# Altium PCB STANDBY_POWER_SUPLY.PcbDoc
Units mm, origin at the board's own origin, x right, y up, seen from the top; angles counter-clockwise.
Board outline 111 x 55 mm, 2 copper layers (Top Layer, Bottom Layer), stack 1.071 mm thick; 59 components, 35 nets, 142 pads, 15 vias.
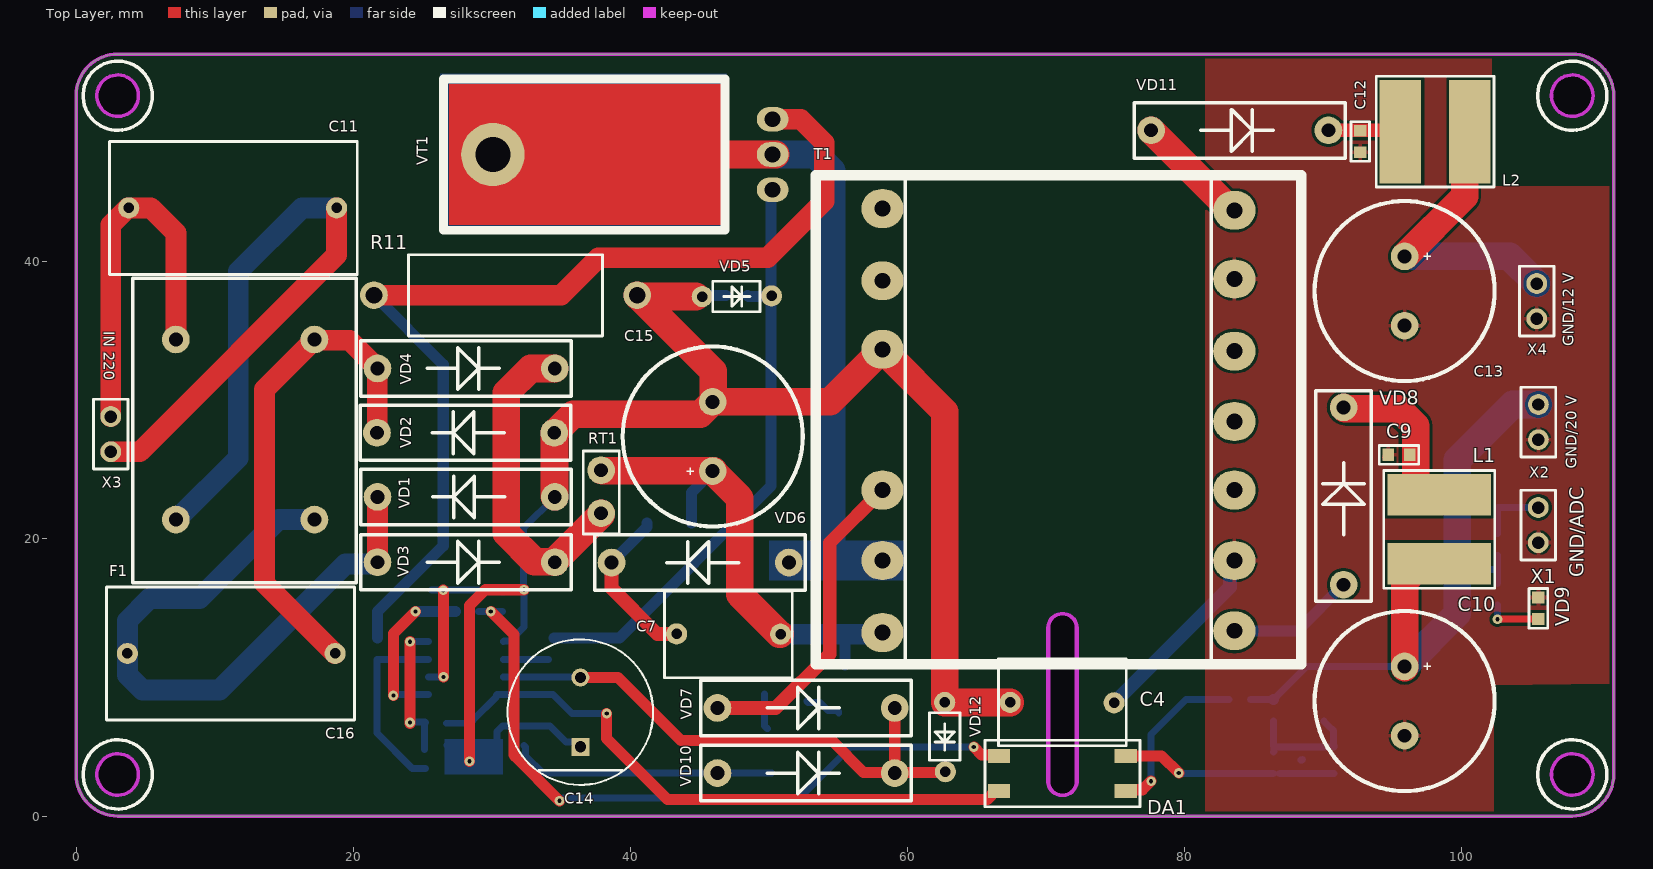
[diagram p0: Top Layer view]
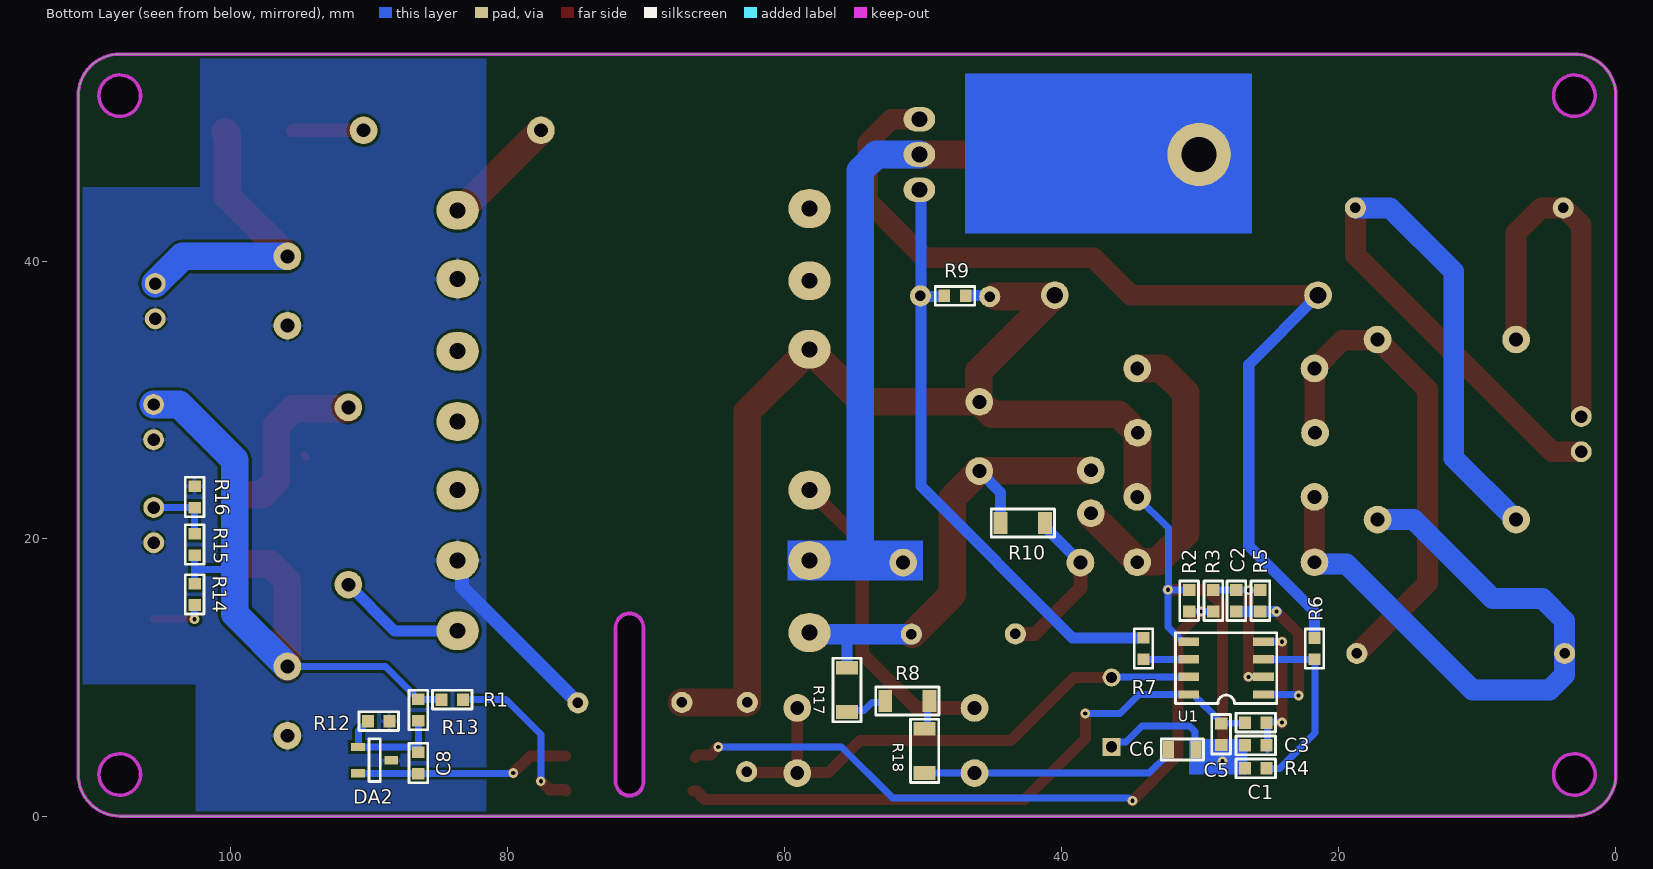
[diagram p1: Bottom Layer view, seen from below]
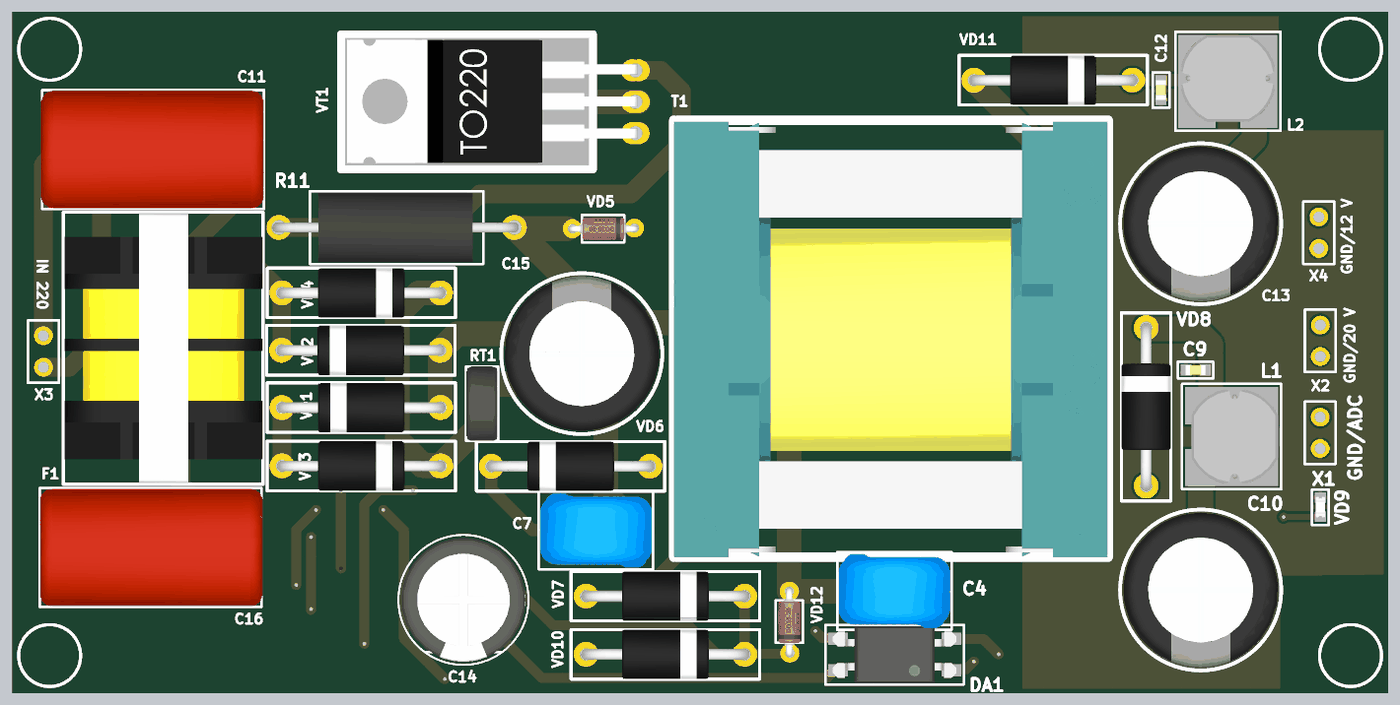
[diagram p2: 3D render of the assembled board from above, using the file's embedded part models]
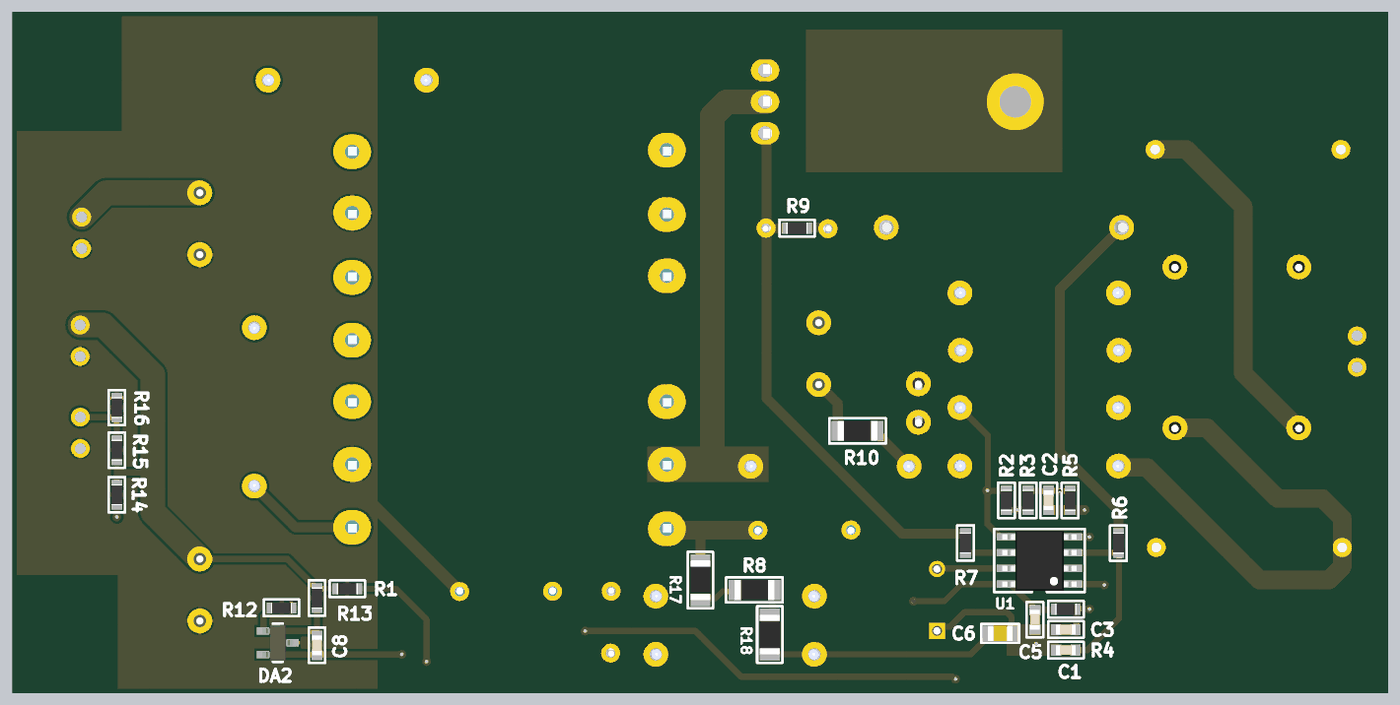
[diagram p3: 3D render of the assembled board from below, using the file's embedded part models]

## Layer stack, top to bottom
Top Solder: solder mask 0.0102, Solder Resist, Dk 3.5
Top Layer: signal copper 0.0356
Dielectric 1: dielectric 1, FR-4, Dk 4.8
Bottom Layer: signal copper 0.0356
Bottom Solder: solder mask 0.0102, Solder Resist, Dk 3.5

## Board outline
0,3 0,52 cw(c3,52) 3,55 108,55 cw(c108,52) 111,52 111,3 cw(c108,3) 108,0 3,0 cw(c3,3)
cut-out: 1.5,52 ccw(c3,52) 3,50.5 ccw(c3,52) 4.5,52 ccw(c3,52) 3,53.5 ccw(c3,52)
cut-out: 1.5,3 ccw(c3,3) 3,1.5 ccw(c3,3) 4.5,3 ccw(c3,3) 3,4.5 ccw(c3,3)
cut-out: 70.073,2.5 cw(c70.2,2.5) 70.073,2.514 70.073,13.586 cw(c70.2,13.6) 70.073,13.6 cw(c71.2,13.6) 72.327,13.6 cw(c72.2,13.6) 72.327,13.6 cw(c72.296,13.599) 72.327,13.599 72.327,2.46 cw(c72.2,2.46) 72.326,2.439 cw(c71.2,2.5) 70.074,2.455 cw(c71.201,2.5)
cut-out: 106.5,3 ccw(c108,3) 108,1.5 ccw(c108,3) 109.5,3 ccw(c108,3) 108,4.5 ccw(c108,3)
cut-out: 106.5,52 ccw(c108,52) 108,50.5 ccw(c108,52) 109.5,52 ccw(c108,52) 108,53.5 ccw(c108,52)

## Design rules (kind name [scope] priority, off if disabled: settings)
Clearance [All] p1: gap=0.2 ignorepadtopadclearanceinfootprint=FALSE except(0.15: SMDPad-SMDPad)
DiffPairsRouting [All] p1: maxlimit=0.254 minlimit=0.254 mostfreqgap=0.254 substack1={A23D90DD-733B-49C5-8102-56B3D284E3A0} toplayer_{a23d90dd-733b-49c5-8102-56b3d284e3a0}_minwidth=0.381 toplayer_{a23d90dd-733b-49c5-8102-56b3d284e3a0}_maxwidth=0.381 toplayer_{a23d90dd-733b-49c5-8102-56b3d284e3a0}_prefwidth=0.381 bottomlayer_{a23d90dd-733b-49c5-8102-56b3d284e3a0}_minwidth=0.381 bottomlayer_{a23d90dd-733b-49c5-8102-56b3d284e3a0}_maxwidth=0.381 bottomlayer_{a23d90dd-733b-49c5-8102-56b3d284e3a0}_prefwidth=0.381 toplayer_minwidth=0.381 toplayer_maxwidth=0.381 toplayer_prefwidth=0.381 bottomlayer_minwidth=0.381 bottomlayer_maxwidth=0.381 bottomlayer_prefwidth=0.381 substack2={0B3DB408-A969-412D-8C07-BA8AE97219D9} toplayer_{0b3db408-a969-412d-8c07-ba8ae97219d9}_minwidth=0.381 toplayer_{0b3db408-a969-412d-8c07-ba8ae97219d9}_maxwidth=0.381 toplayer_{0b3db408-a969-412d-8c07-ba8ae97219d9}_prefwidth=0.381 bottomlayer_{0b3db408-a969-412d-8c07-ba8ae97219d9}_minwidth=0.381 bottomlayer_{0b3db408-a969-412d-8c07-ba8ae97219d9}_maxwidth=0.381 bottomlayer_{0b3db408-a969-412d-8c07-ba8ae97219d9}_prefwidth=0.381 substack3={378827E6-B38F-4565-9D2F-710D8D441C30} toplayer_{378827e6-b38f-4565-9d2f-710d8d441c30}_minwidth=0.381 toplayer_{378827e6-b38f-4565-9d2f-710d8d441c30}_maxwidth=0.381 toplayer_{378827e6-b38f-4565-9d2f-710d8d441c30}_prefwidth=0.381 bottomlayer_{378827e6-b38f-4565-9d2f-710d8d441c30}_minwidth=0.381 bottomlayer_{378827e6-b38f-4565-9d2f-710d8d441c30}_maxwidth=0.381 bottomlayer_{378827e6-b38f-4565-9d2f-710d8d441c30}_prefwidth=0.381 substack4={1E65D4A7-266F-4925-B814-5E9C4A66F8EE} toplayer_{1e65d4a7-266f-4925-b814-5e9c4a66f8ee}_minwidth=0.381 toplayer_{1e65d4a7-266f-4925-b814-5e9c4a66f8ee}_maxwidth=0.381 toplayer_{1e65d4a7-266f-4925-b814-5e9c4a66f8ee}_prefwidth=0.381 bottomlayer_{1e65d4a7-266f-4925-b814-5e9c4a66f8ee}_minwidth=0.381 bottomlayer_{1e65d4a7-266f-4925-b814-5e9c4a66f8ee}_maxwidth=0.381 bottomlayer_{1e65d4a7-266f-4925-b814-5e9c4a66f8ee}_prefwidth=0.381 substack5={93C5D03E-862D-45F8-9871-970EEA9B3F11} toplayer_{93c5d03e-862d-45f8-9871-970eea9b3f11}_minwidth=0.381 toplayer_{93c5d03e-862d-45f8-9871-970eea9b3f11}_maxwidth=0.381 toplayer_{93c5d03e-862d-45f8-9871-970eea9b3f11}_prefwidth=0.381 bottomlayer_{93c5d03e-862d-45f8-9871-970eea9b3f11}_minwidth=0.381 bottomlayer_{93c5d03e-862d-45f8-9871-970eea9b3f11}_maxwidth=0.381 bottomlayer_{93c5d03e-862d-45f8-9871-970eea9b3f11}_prefwidth=0.381 maxuncoupledlength=12.7
HoleSize [All] p1: absolutevalues=TRUE maxlimit=6 minlimit=0.01 maxpercent=80.000 minpercent=20.000
HoleToHoleClearance [All] p1: gap=0.1 allowstackedmicrovias=TRUE
MinimumSolderMaskSliver [All] p1: minsoldermaskwidth=0.1
PlaneConnect [All] p1: pad.planeconnectstyle=Relief pad.reliefexpansion=0.5 pad.reliefentries=4 pad.reliefconductorwidth=0.5 pad.reliefairgap=0.15 via.planeconnectstyle=Direct via.reliefexpansion=0.5 via.reliefentries=4 via.reliefconductorwidth=0.5 via.reliefairgap=0.15
PolygonConnect VQFN20 [HasFootprint('VQFN20')] p1: connectstyle=Direct reliefconductorwidth=0.254 reliefentries=4 polygonreliefangle="90 Angle" airgapwidth=0.254
PolygonConnect [All] p2: thpad.connectstyle=Relief thpad.reliefconductorwidth=0.3 thpad.reliefentries=4 thpad.polygonreliefangle="90 Angle" thpad.airgapwidth=0.15 smdpad.connectstyle=Relief smdpad.reliefconductorwidth=0.3 smdpad.reliefentries=4 smdpad.polygonreliefangle="90 Angle" smdpad.airgapwidth=0.15 via.connectstyle=Direct via.reliefconductorwidth=0.3 via.reliefentries=4 via.polygonreliefangle="90 Angle" via.airgapwidth=0.15
RoutingVias [All] p1: holewidth=0.1 width=0.1 viastyle="Through Hole" minholewidth=0.11 minwidth=0.1 maxholewidth=2 maxwidth=1
ShortCircuit [All] p1: allowed=TRUE
SilkToSolderMaskClearance [IsPad] p1: minsilkscreentomaskgap=0.1 clearancetoexposedcopper=TRUE
SolderMaskExpansion SolderMaskExpansion_Via [IsVia] p1: expansion=0.102 istentingtop=TRUE
SolderMaskExpansion [All] p2: expansion=0.01 istentingtop=FALSE
UnRoutedNet [All] p1: checkbadconnections=TRUE
Width [All] p1: maxlimit=5 minlimit=0.2 preferedwidth=0.3 substack1={A23D90DD-733B-49C5-8102-56B3D284E3A0} substack2={0B3DB408-A969-412D-8C07-BA8AE97219D9} substack3={378827E6-B38F-4565-9D2F-710D8D441C30} substack4={1E65D4A7-266F-4925-B814-5E9C4A66F8EE} substack5={93C5D03E-862D-45F8-9871-970EEA9B3F11}
22 further rules are at their usual default settings.

## Components (designator, comment, footprint, x,y, rotation, side; value= is the part's Value field where it differs from the comment)
C1 "CAP-NON-POLAR" CAP-0603 26,3.438 r180 bottom value="50V 47pF"
C2 "CAP-NON-POLAR" CAP-0603 27.4,15.545 r270 bottom value="50V 10nF"
C3 "CAP-NON-POLAR" CAP-0603 26,5.1 r180 bottom value="50V 100nF"
C4 "CAP-NON-POLAR" CAP-V5 71.175,8.225 r180 top value="400V 2200pF"
C5 "CAP-NON-POLAR" CAP-0603 28.5,5.9 r270 bottom value="50V 10nF"
C6 "50V 10nF" CAP-0805 31.3,4.8 r180 bottom value="50V 100nF"
C7 "CAP-NON-POLAR" CAP-V5 47.1,13.1 r0 top value="400V 10nF"
C8 "CAP-NON-POLAR" CAP-0603 86.446,3.833 r270 bottom value="50V 47nF"
C9 "CAP-NON-POLAR" CAP-0603 95.49,26.076 r0 top value="50V 1uF"
C10 "CAP-POLAR" CAPPOL-12x25 95.9,8.3 r270 top value="25V 2200uF"
C11 "CAP-NON-POLAR" CAP-V15 11.3,43.9 r0 top value="630V 100nF"
C12 "CAP-NON-POLAR" CAP-0603 92.7,48.7 r90 top value="50V 1uF"
C13 "CAP-POLAR" CAPPOL-12x25 95.9,37.9 r270 top value="25V 2200uF"
C14 "ECA1VHG471B" FP-RAD-TH-D_10_0_5-L_16_1-MFG 36.4,7.5 r90 top
C15 "CAP-POLAR" CAPPOL-12x25 45.95,27.4 r90 top value="450V 10uF"
C16 "CAP-NON-POLAR" CAP-V15 11.2,11.735 r180 top value="630V 100nF"
DA1 "PC817" 4-SMD 71.2,3.07 r180 top
DA2 "TL431" SOT23-3 89.6,4.035 r180 bottom
F1 "FILTER" FILTER_1 12.2,27.9 r90 top value=0,65A
L1 "IND-CONST" IND-7850 98.4,20.7 r270 top value=33
L2 "IND-CONST" IND-7850 98.1,49.4 r0 top value=33
R1 "RES-CONST" RES-0603 84,8.4 r180 bottom value="3.3KΩ ±1%"
R2 "RES-CONST" RES-0603 30.8,15.545 r270 bottom value="220 Ω ±1%"
R3 "RES-CONST" RES-0603 29.055,15.545 r90 bottom value="3.9KΩ  ±1%"
R4 "RES-CONST" RES-0603 26,6.75 r180 bottom value="680 Ω  ±1%"
R5 "RES-CONST" RES-0603 25.655,15.545 r270 bottom value="100KΩ ±1%"
R6 "RES-CONST" RES-0603 21.755,12.085 r90 bottom value="1KΩ ±1%"
R7 "RES-CONST" RES-0603 34.1,12.1 r90 bottom value="22 Ω ±1%"
R8 "RES-CONST" RES-1206 51.142,8.3 r180 bottom value="33KΩ ±1%"
R9 "RES-CONST" RES-0603 47.7,37.55 r0 bottom value="10KΩ ±1%"
R10 "RES-CONST" RES-1206 42.811,21.153 r0 bottom value="22KΩ ±1%"
R11 "RES-CONST" RES-2W 31,37.6 r180 top value="2.2Ω  2W"
R12 "RES-CONST" RES-0603 89.31,6.849 r0 bottom value="4.7KΩ ±1%"
R13 "RES-CONST" RES-0603 86.446,7.649 r90 bottom value="33KΩ ±1%"
R14 "RES-CONST" RES-0603 102.6,16 r90 bottom value="2.7KΩ ±1%"
R15 "RES-CONST" RES-0603 102.6,19.6 r270 bottom value="100KΩ ±1%"
R16 "RES-CONST" RES-0603 102.6,23.033 r270 bottom value="10KΩ ±1%"
R17 "RES-CONST" RES-1206 55.5,9.1 r270 bottom value="33KΩ ±1%"
R18 "RES-CONST" RES-1206 49.9,4.7 r270 bottom value="33KΩ ±1%"
RT1 "RES-TEMP" RES-V5 37.9,23.36 r270 top value="10Ω ±1% 0,7A"
T1 "ETD29" TRANS_ETD_29 70.908,28.101 r90 top value=XX
U1 "UC3842B" SOIC8-150 28.134,10.68 r0 bottom
VD1 "FR207" FR207 28.155,23.04 r0 top value="1000V 2A"
VD2 "FR207" FR207 28.115,27.67 r0 top value="1000V 2A"
VD3 "FR207" FR207 28.155,18.32 r180 top value="1000V 2A"
VD4 "FR207" FR207 28.155,32.31 r180 top value="1000V 2A"
VD5 "DIODE" DO-35 47.7,37.5 r180 top value="15V 2W"
VD6 "FR207" FR207 45.05,18.3 r0 top value="1000V 2A"
VD7 "FR207" FR207 52.694,7.8 r180 top value="1000V 2A"
VD8 "FR207" FR207 91.5,23.1 r270 top value="1000V 2A"
VD9 "LED" LED-0603 105.561,15 r270 top value=RED
VD10 "FR207" FR207 52.694,3.1 r180 top value="1000V 2A"
VD11 "FR207" FR207 84,49.5 r180 top value="1000V 2A"
VD12 "DIODE" DO-35 62.7,5.7 r90 top value="15V 2W"
VT1 "MOSFET-N-GDS" TO-220(bend2) 39.1,47.5 r90 top value="200V 18A"
X1 "GND/ADC" CONN-PLS-2-2.54mm 105.548,22.271 r270 top value=PLS
X2 "GND/20 V" CONN-PLS-2-2.54mm 105.561,29.709 r270 top value=PLS
X3 "IN 220" CONN-PLS-2-2.54mm 2.5,28.84 r270 top value=PLS
X4 "GND/12 V" CONN-PLS-2-2.54mm 105.439,38.44 r270 top value=PLS

## Footprints (in the part's own frame and the unit in brackets; to place one, negate y for a bottom-side part, rotate by r counter-clockwise, add the part's x,y. Pads: shape width x height; smd on the part's side, far side on the other; paste and mask are expansions set on the pad)
4-SMD [mm]
  rect 1.6x1 smd: 1(-4.575,1.27) 2(-4.575,-1.27) 3(4.575,-1.27) 4(4.575,1.27)
  silkscreen extent -5.6,-2.4 5.6,2.4, body extent -5,-2.29 5,2.29, height 3.85
CAP-0603 [mm]
  rect 0.85x0.9 smd: 1(-0.775,0) 2(0.775,0)
  silkscreen extent -1.43,-0.67 1.43,0.67, body extent -0.8,-0.4 0.8,0.4, height 0.8
CAP-0805 [mm]
  rect 0.8x1.25 smd mask+0.015: 1(-1,0) 2(1,0)
  silkscreen extent -1.52,-0.76 1.52,0.76, body extent -1,-0.62 1,0.63, height 0.8
CAP-V5 [mil]
  round 60 hole 30: 1(-147.64,1.97) 2(147.64,0.98)
  silkscreen extent -182,-123 181,124, body extent -177,-118 177,118, height 630
CAP-V15 [mil]
  round 60 hole 30: 1(-295.28,0) 2(295.28,0)
  silkscreen extent -350,-189 354,189, body extent -354,-187 354,187, height 650
CAPPOL-12x25 [mm]
  round 2 hole 1: 1(-2.5,0) 2(2.5,0)
  silkscreen extent -6.5,-6.5 6.5,6.5, body extent -6.25,-6.25 6.25,6.25, height 25
CONN-PLS-2-2.54mm [mm]
  round 1.5 hole 0.9: 1(0,0) 2(2.54,0)
  silkscreen extent -1.25,-1.25 3.79,1.25
DO-35 [mil]
  round 60 hole 30: 1(-98.43,-1.97) 2(98.43,0)
  silkscreen extent -66,-43 69,43, body extent -111,-35 111,35, height 72
FILTER_1 [mm]
  round 2 hole 1: 1(-6.5,5) 2(6.5,5) 3(6.5,-5) 4(-6.5,-5)
  silkscreen extent -11.05,-8.03 10.92,8.1, body extent -10.95,-8 10.85,8, height 24.48
FP-RAD-TH-D_10_0_5-L_16_1-MFG [mm]
  rect 1.3x1.3 hole 0.8 paste-1000 mask+0: 1(-2.5,0)
  round 1.3 hole 0.8 paste-1000 mask+0: 2(2.5,0)
  silkscreen extent -5.25,-5.25 5.25,5.25, body extent -5.35,-5.35 5.35,5.35, height 0.25
FR207 [mm]
  round 2 hole 1: 1(-6.4,0) 2(6.4,0)
  silkscreen extent -7.6,-2 7.6,2, body extent -6.78,-2 6.78,2, height 4.5
IND-7850 [mm]
  rect 3x7.5 smd: 1(-2.5,0) 2(2.5,0)
  silkscreen extent -4.25,-4 4.25,4, body extent -3.81,-3.25 3.81,3.75, height 4.9
LED-0603 [mm]
  rect 0.85x0.9 smd: 1(-0.775,0) 2(0.775,0)
  silkscreen extent -1.43,-0.67 1.45,0.67, body extent -0.82,-0.36 0.83,0.36, height 0.68
RES-2W [mm]
  round 2 hole 1.2: 1(-9.5,0) 2(9.5,0)
  silkscreen extent -7,-2.93 7,2.95, body extent -9.86,-2.79 10.01,2.79, height 5.59
RES-0603 [mm]
  rect 0.85x0.9 smd: 1(-0.775,0) 2(0.775,0)
  silkscreen extent -1.43,-0.67 1.43,0.67, body extent -0.85,-0.45 0.85,0.45, height 0.55
RES-1206 [mm]
  rect 1x1.6 smd: 1(-1.6,0) 2(1.6,0)
  silkscreen extent -2.29,-1.02 2.29,1.02, body extent -1.6,-0.8 1.6,0.8, height 0.6
RES-V5 [mm]
  round 2 hole 1: 1(-1.6,0) 2(1.5,0)
  silkscreen extent -3,-1.3 3,1.3, body extent -3,-1.25 3,1.25, height 14
SOIC8-150 [mm]
  rect 1.5x0.6 smd: 1(-2.7,1.905) 2(-2.7,0.635) 3(-2.7,-0.635) 4(-2.7,-1.905) 5(2.7,-1.905) 6(2.7,-0.635) 7(2.7,0.635) 8(2.7,1.905)
  silkscreen extent -3.65,-2.55 3.65,2.55, body extent -3,-2.45 3,2.45, height 1.75
SOT23-3 [mm]
  rect 1x0.6 smd: 1(-1.2,0.95) 2(-1.2,-0.95) 3(1.2,0)
  silkscreen extent -0.4,-1.55 0.4,1.55, body extent -1.25,-1.46 1.23,1.46, height 1.02
TO-220(bend2) [mil]
  oval 70x90 hole 45: 1(-90,-440) 2(10,-440) 3(110,-440)
  round 180 hole 100: 2(10,355)
  Top Layer region: -190,-300 210,-300 210,480 -190,480
  Bottom Layer region: -215,-310 240,-310 240,505 -215,505
  silkscreen extent -205,-305 225,495, body extent -185,-446 208,476, height 179
TRANS_ETD_29 [mil]
  oval 110x120 hole 45: 1(-585,500) 2(-380,500) 3(-180,500) 4(220,500) 5(415,500) 6(620,500) 7(-580,-500) 8(-380,-500) 9(-180,-500) 10(15,-500) 11(215,-500) 12(420,-500) 13(615,-500)
  silkscreen extent -675,-690 715,690, body extent -676,-688 710,690, height 977

## Part data
C1 C2 C3 C5 C8 C9 C12 L1 L2 R7 VD9: library part 2, Part Number=2, №=2
  L1 L2: ID=L-0002
  R7: ID=R-0002
  VD9: ID=O-0002
C4 C7: library part 6, Part Number=6, №=6
C6: library part 17, Part Number=17, №=17
C10 C13: library part 16, Part Number=16, №=16
C11 C16: library part 18, Part Number=18, №=18
C14: library part CMP-05427-001499-1, "Aluminum Electrolytic Capacitors (Radial Lead Type) AEC-Q200 Qualified 470uF ±20% 35V", Capacitance=470uF, Case/Package=Radial, Max Operating Temperature=105°C, Min Operating Temperature=-55°C, Package Quantity=500, Ripple Current=460mA, Tolerance=20%, Voltage Rating=35V, Construction=RADIAL, Contact Plating=Tin, Diameter=10mm, Height=16mm, Height - Seated (Max)=0.669inch, Lead Diameter=0.6mm, Lead Pitch=5mm, Lead/Base Style=Straight, Length=16mm, Life (Hours)=2000Hour, Mount="Through Hole", Packaging="Tape and Reel", Polarity=Polar, Radiation Hardening=No, RoHS Compliant=Yes, Series=NHG, Termination=Radial, Voltage Rating (DC)=35V
C15: library part 15, Part Number=15, №=15
DA1 X1 X2 X3 X4: library part 1, Part Number=1, №=1
  DA1: ID=O-0001
  X1 X2 X3 X4: ID=X-0001
F1: library part DSF9L223А025, ID=M-0004, Part Number=DSF9L223А025, №=4
R1: library part 40, ID=R-0040, Part Number=40, №=40
R2: library part 22, ID=R-0022, Part Number=22, №=22
R3: library part 41, ID=R-0041, Part Number=41, №=41
R4: library part 33, ID=R-0033, Part Number=33, №=33
R5 R15: library part 73, ID=R-0073, Part Number=73, №=73
R6: library part 37, ID=R-0037, Part Number=37, №=37
R8 R17 R18: library part 206, ID=R-0206, Part Number=206, №=206
R9 R16: library part 50, ID=R-0050, Part Number=50, №=50
R10: library part 207, ID=R-0207, Part Number=207, №=207
R11: library part 205, ID=R-0205, Part Number=205, №=205
R12: library part 42, ID=R-0042, Part Number=42, №=42
R13: library part 62, ID=R-0062, Part Number=62, №=62
R14: library part 39, ID=R-0039, Part Number=39, №=39
RT1: library part KLS6-MF72-10D5, ID=R-0208, Part Number=KLS6-MF72-10D5, №=208
T1: library part 3, Part Number=3, №=3
VD5 VD12: library part BZX55C15V, ID=D-0755, Part Number=BZX55C15V, №=13
VT1: library part IRF640_, ID=T-0008, Part Number=IRF640_, №=8
DA2: ID=I-0009, Part Number=TL431, №=9
U1: ID=I-0005, Part Number=UC3842B, №=5
VD1 VD2 VD3 VD4 VD6 VD7 VD8 VD10 VD11: ID=D-0754, Part Number=FR207, №=12

## Via types
v1: diameter 0.7, hole 0.3, Top Layer to Bottom Layer, tented both sides, 15 vias

## Nets (pads, with @x,y where several pads share a name; then routed paths per layer and width w, separated by ;. In a path a pad name is that pad's centre, name@x,y a point inside that pad or via, vN(x,y) a via of type N, cw(c..) or ccw(c..) an arc to the next point about the centre after c; other vN are vias at no path point)
+20V: C10.1 L1.2 R1.1 R13.2 R14.2 R15.2 X2.1 | length 50.4
  Top Layer w2: C10.1@95.9,10.7 95.9,16.95 97.15,18.2 L1.2 L1.2@98.8,18.2
  Bottom Layer w0.5: R1.1 R13.2@86.422,8.4 ; R13.2 86.471,8.424 86.646,8.599 86.646,8.624 88.822,10.8 C10.1 ; 100,17.8 102.6,17.8 ; R14.2 102.6,17.8 ; R15.2 102.6,17.8
  Bottom Layer w0.8: R13.2@86.422,8.4 R13.2
  Bottom Layer w2: C10.1 99.7,14.6 99.7,25.7 103.709,29.709 X2.1
+300V: C7.2 C15.1 R10.2 R17.1 RT1.1 T1.1 | length 35.9
  Top Layer w2: RT1.1@38,24.926 C15.1@46.024,24.926 ; C15.1 47.9,22.95 47.9,16 50.77,13.13 50.834,13.13 C7.2@50.839,13.125
  Bottom Layer w0.8: R10.2 44.411,23.361 C15.1 ; R17.1@55.5,10.9 55.5,13.13
  Bottom Layer w1.5: C7.2 50.855,13.13 55.5,13.13 58.089,13.13 T1.1@58.2,13.241
GND: C1.1 C3.1 C4.2 C5.2 C6.2 C14.1 C15.2 R2.1 R9.1 R11.1 T1.4 U1.5 VD1.2 VD2.2 VD5.2 VD12.2 | length 119.3
  Top Layer w0.8: v1(28.4,3.956) 28.4,15.2 29.537,16.337 v1(32.334,16.337)
  Top Layer w2: VD1.2 34.535,23.06 34.535,27.65 VD2.2 34.553,27.67 35.883,29 45.05,29 C15.2 54.419,29.9 T1.4 ; VD5.2@44.754,37.5 40.6,37.5 R11.1 46,32.1 C15.2@46,30.3 ; T1.4@58.387,33.5 62.7,29.187 VD12.2 C4.2
  Bottom Layer w0.5: C3.1 26.775,5.125 26.8,5.15 27.134,5.15 27.159,5.175 28.14,5.175 28.166,5.2 C5.2@28.3,5.2 ; v1(28.4,3.956) 28.7,4.256 28.7,4.275 ; C5.2@28.55,5.2 28.834,5.2 28.86,5.175 30.359,5.175 30.359,5.2 30.389,5.23 30.389,6.105 30.784,6.5 34.2,6.5 35.37,5.33 36.07,5.33 C14.1 ; R2.1 v1@32.317,16.32 ; U1.5 30.884,12.635 31.334,12.635 32.334,13.635 v1(32.334,16.337) 32.3,16.372 32.3,20.785 VD1.2
  Bottom Layer w0.8: R2.1@30.783,16.337 R2.1 ; v1@32.317,16.32 v1(32.334,16.337) ; VD5.2 45.282,37.582 R9.1@46.9,37.582
GND_1: C4.1 C9.1 C10.2 C12.1 C13.2 DA2.3 R12.1 R16.1 T1.8 T1.12 VD9.1 X1.2 X2.2 X4.2 | length 14.6
  Top Layer w0.5: C9.1@94.515,25.876 94.54,25.876 94.715,26.051 C9.1
  Top Layer w0.8: C10.2@95.67,6.03 C10.2
  Bottom Layer w0.5: DA2.3 88.485,4.035 DA2.3@88.535,4.085
  Bottom Layer w1: C4.1 83.292,16.542 83.292,18.14 T1.8@83.6,18.448
NetC1_2: C1.2 R6.1 U1.3 | length 13.5
  Bottom Layer w0.5: R6.1@21.715,11.31 21.715,5.985 24.262,3.438 C1.2 ; R6.1 22.575,11.31 ; 22.6,11.31 22.605,11.315 U1.3
NetC2_1: C2.1 R3.2 R5.1 U1.2 | length 10.7
  Top Layer w0.8: v1(26.5,16.3) 26.509,16.291 26.509,10.054 v1(26.517,10.045)
  Bottom Layer w0.5: U1.2 v1(26.517,10.045) ; R5.1 R3.2
NetC2_2: C2.2 R5.2 U1.1 | length 12.2
  Top Layer w0.8: v1(22.9,8.705) 22.9,13.17 v1(24.5,14.77)
  Bottom Layer w0.5: v1(22.9,8.705) 22.954,8.705 23.024,8.775 U1.1
  Bottom Layer w0.8: v1(24.5,14.77) R5.2 C2.2
NetC3_2: C3.2 R4.2 U1.4 | length 10.3
  Top Layer w0.8: v1@24.1,6.7 v1(24.1,12.585)
  Bottom Layer w0.5: v1(24.1,6.75) 24.154,6.75 24.204,6.8 25.175,6.8 R4.2 ; v1(24.1,12.585) U1.4 ; C3.2@25.163,4.813 25.163,6.687 R4.2@25.175,6.7
NetC5_1: C5.1 DA1.4 R4.1 U1.8 | length 45.3
  Top Layer w0.8: v1(38.3,7.4) 38.3,5.6 42.7,1.2 65.782,1.2 66.075,1.493 66.075,1.55 66.325,1.8 DA1.4
  Bottom Layer w0.5: R4.1@26.725,6.7 28.5,6.7 C5.1@28.5,6.75 ; C5.1@28.5,6.775 28.525,6.775 28.7,6.95 28.7,6.975 30.334,8.609 30.334,8.725 30.384,8.775 34.425,8.775 35.8,7.4 v1(38.3,7.4)
NetC6_1: C6.1 R18.2 VD10.2 | length 19.4
  Bottom Layer w0.5: C6.1@32.334,5.085 32.45,4.969 32.45,4.35 33.7,3.1 VD10.2 R18.2@50.2,3.1 ; R18.2 R18.2@50.214,3.1
NetC7_1: C7.1 R10.1 VD6.1 | length 11.8
  Top Layer w1: VD6.1 38.65,16.45 41.95,13.15 C7.1
  Bottom Layer w0.8: VD6.1 41.203,20.853 41.211,20.853 R10.1
NetC8_1: C8.1 DA2.1 R12.2 R13.1 | length 8.7
  Bottom Layer w0.5: C8.1 86.485,4.647 86.485,4.985 DA2.1 90.8,5.098 90.763,5.135 90.763,6.171 90.385,6.549 90.36,6.549 90.085,6.824 R12.2 ; 86.446,5.067 R13.1
NetC8_2: C8.2 DA1.2 DA2.2 | length 15.1
  Top Layer w0.8: DA1.2@75.832,4.34 78.36,4.34 v1(79.6,3.1)
  Bottom Layer w0.5: v1(79.6,3.1) 79.621,3.079 86.425,3.079 C8.2 ; C8.2@86.879,3.085 DA2.2
NetC9_2: C9.2 L1.1 VD8.1 | length 11.8
  Top Layer w2: VD8.1 91.6,29.4 95.453,29.4 96.7,28.153 96.7,26.1 96.7,24.2 97.7,23.2 L1.1
NetC11_1: C11.1 F1.2 X3.1 | length 27.5
  Top Layer w1.5: X3.1 2.5,42.674 3.726,43.9 5.394,43.9 7.2,42.094 F1.2
NetC11_2: C11.2 F1.1 X3.2 | length 54.3
  Top Layer w1.5: X3.2 4.6,26.3 18.8,40.5 C11.2
  Bottom Layer w1.5: F1.1@7.253,21.4 11.7,25.847 11.7,39.3 16.3,43.9 C11.2
NetC12_2: C12.2 L2.1 VD11.1 | length 5.2
  Top Layer w0.8: L2.1@95.5,49.5 L2.1
  Top Layer w1: VD11.1 L2.1@95.5,49.5
NetC13_1: C13.1 L2.2 X4.1 | length 21.2
  Top Layer w2: C13.1 100.236,44.736 100.236,49.236 L2.2@100.4,49.4
  Bottom Layer w2: C13.1 103.479,40.4 X4.1
NetC14_2: C14.2 U1.7 VD7.1 VD10.1 VD12.1 | length 39.5
  Top Layer w0.8: C14.2 39.1,10 43.65,5.45 54.55,5.45 56.85,3.15 VD10.1@59.094,3.15 ; VD10.1 VD7.1 ; VD10.1@59.144,3.15 VD12.1@62.826,3.15
  Bottom Layer w0.5: U1.7 C14.2@36.443,10.045
NetC16_1: C16.1 F1.3 VD2.1 VD4.2 | length 36.3
  Top Layer w1.5: C16.1@18.665,11.735 13.6,16.8 13.6,30.8 F1.3 17.26,34.34 19.725,34.34 VD4.2 21.735,32.29 21.735,27.69 VD2.1
NetC16_2: C16.2 F1.4 VD1.1 VD3.2 | length 47.5
  Top Layer w1.5: VD3.2 VD1.1
  Bottom Layer w1.5: F1.4 14.6,21.4 8.9,15.7 5.3,15.7 3.7,14.1 3.7,10.187 4.787,9.1 10.35,9.1 19.45,18.2 21.635,18.2 VD3.2
NetDA1_1: DA1.1 R1.2 | length 12.2
  Top Layer w0.8: DA1.1 75.875,1.9 76.986,1.9 v1(77.6,2.514)
  Bottom Layer w0.5: v1(77.6,2.514) 77.6,5.885 80.115,8.4 R1.2
NetDA1_3: DA1.3 R2.2 R3.1 | length 50.9
  Top Layer w0.8: v1(29.934,14.77) 31.6,13.104 31.6,4.4 31.7,4.3 v1(34.9,1.1) ; v1(64.8,4.985) 65.368,4.417 66.261,4.417 DA1.3@66.435,4.243
  Bottom Layer w0.5: R3.1 R2.2@30.79,14.77 ; v1(34.9,1.1) 34.954,1.1 35.154,1.3 52.2,1.3 55.885,4.985 v1(64.8,4.985)
NetR6_2: R6.2 R11.2 VT1.3 | length 72.7
  Top Layer w1.5: R11.2 35,37.6 37.7,40.3 49.9,40.3 54,44.4 54,48.6 52.306,50.294 VT1.3
  Bottom Layer w0.8: R11.2 26.5,32.6 26.5,19.5 21.755,14.755 R6.2
NetR7_1: R7.1 U1.6 | length 3.3
  Bottom Layer w0.5: U1.6 30.837,11.313 R7.1@34.1,11.313
NetR7_2: R7.2 R9.2 VD5.1 VT1.1 | length 43.3
  Top Layer w0.8: VD5.1@50.148,37.602 VD5.1
  Bottom Layer w0.8: R7.2@34.515,12.86 39.215,12.86 50.168,23.814 50.168,37.518 48.538,37.518 R9.2@48.475,37.582 ; VD5.1@50.168,37.582 VT1.1@50.168,45.214
NetR8_1: R8.1 R17.2 | length 2.7
  Bottom Layer w0.5: R8.1 52.841,8.201 53.699,8.201 54.27,7.63 54.95,7.63 55.051,7.529 R17.2@55.051,7.438
NetR8_2: R8.2 R18.1 | length 2.6
  Bottom Layer w0.5: R8.2@49.7,8.817 49.7,6.5 R18.1
NetR14_1: R14.1 VD9.2 | length 4
  Top Layer w0.5: v1(102.6,14.2) 102.613,14.213 105.548,14.213 VD9.2
  Bottom Layer w0.5: v1(102.6,14.2) R14.1
NetR15_1: R15.1 R16.2 X1.1 | length 4.9
  Bottom Layer w0.5: R15.1 R16.2 102.612,22.271 X1.1 X1.1@105.561,22.283
NetRT1_2: RT1.2 VD3.1 VD4.1 | length 23.7
  Top Layer w2: VD4.1 32.81,32.31 31.05,30.55 31.05,20.406 33.09,18.366 34.509,18.366 VD3.1 34.555,18.417 37.9,21.762 RT1.2
NetT1_2: T1.2 VD6.2 VT1.2 | length 54
  Top Layer w0.5: VD6.2 VD6.2@51.524,18.374
  Top Layer w0.8: 40.3,48.4 40.354,48.454
  Top Layer w2: 36.814,47.754 VT1.2@50.494,47.754
  Bottom Layer w1: VD6.2 51.524,18.374 54.408,18.374 ; 54.408,18.448 55.208,18.448 T1.2@58.508,18.448
  Bottom Layer w2: VT1.2@50.276,47.754 53.378,47.754 54.55,46.582 54.55,18.9 54.9,18.55 54.9,18.456
NetT1_3: T1.3 VD7.2 | length 23.1
  Top Layer w1: VD7.2 50.5,7.8 54.4,11.7 54.4,19.728 T1.3@58.2,23.528
NetT1_7: T1.7 VD8.2 | length 9.3
  Bottom Layer w0.8: T1.7@83.6,13.368 88.168,13.368 VD8.2
NetT1_13: T1.13 VD11.2 | length 8.4
  Top Layer w2: VD11.2 83.289,43.811 T1.13@83.608,43.811
pads on no net: T1.5 T1.6 T1.9 T1.10 T1.11

## Polygon pours and split planes (outlines as drawn)
GND_1 on Top Layer "GND_1_L01_P001" (solid, pour order 1): 81.5,0.002 81.5,55 111,55 111,-0.1
GND_1 on Top Layer "GND_1_L01_P000" (solid, pour order 0): 81.5,55 111,55 111,0 81.5,0
GND_1 on Bottom Layer "GND_1_L02_P002" (solid, remove dead copper, pour order 2): 81.5,-0.1 81.535,-0.065 81.535,55 111.1,55 111,54.9 111,0

## Keep-outs
Keep-Out Layer:
  circle w0.254: c108,3 r1.5
  circle w0.254: c108,52 r1.5
  circle w0.254: c3,3 r1.5
  circle w0.254: c3,52 r1.5
  lines w0.254: 70.201,2.46 70.201,13.599 cw(c71.2,13.6) 72.2,13.6 72.2,2.46 ; 70.2,2.5 ccw(c71.2,2.5) 72.2,2.5 ; 0,3 ccw(c3,3) 3,0 108,0 ccw(c108,3) 111,3 111,52 ccw(c108,52) 108,55 3,55 ccw(c3,52) 0,52 0,3

## Other copper
Top Layer:
  pour cut-out: 102.327,9.45 102.327,0.05 102.377,0 111.027,0 111.027,9.417 110.893,9.55
  pour cut-out: 102.2,55 102.2,45.45 110.9,45.45 110.9,54.9 110.8,55
Bottom Layer:
  rectangle net NetT1_2: 50,17.012 59.8,19.9
  rectangle net GND: 26.6,3 30.8,5.55
  pour cut-out: 102.65,0.003 102.504,0.149 102.504,9.503 111.15,9.503 111.1,9.453 111.1,0.003
  pour cut-out: 102.2,55 102.2,45.4 110.9,45.4 110.9,54.9 111,55

## Silkscreen, mask and mechanical layers (free items; w line width, h text height)
Top Overlay:
  circle w0.254: c108,52 r2.5
  circle w0.254: c108,3 r2.5
  circle w0.254: c3,3 r2.5
  circle w0.254: c3,52 r2.5